# Altium PCB KEA once.PcbDoc (part 1 of 4)
Units mil, origin at the board's own origin, x right, y up, seen from the top; angles counter-clockwise.
Board outline 3229.26 x 1991.89 mil, 2 copper layers (Top Layer, Bottom Layer); 76 components, 82 nets, 488 pads, 56 vias.
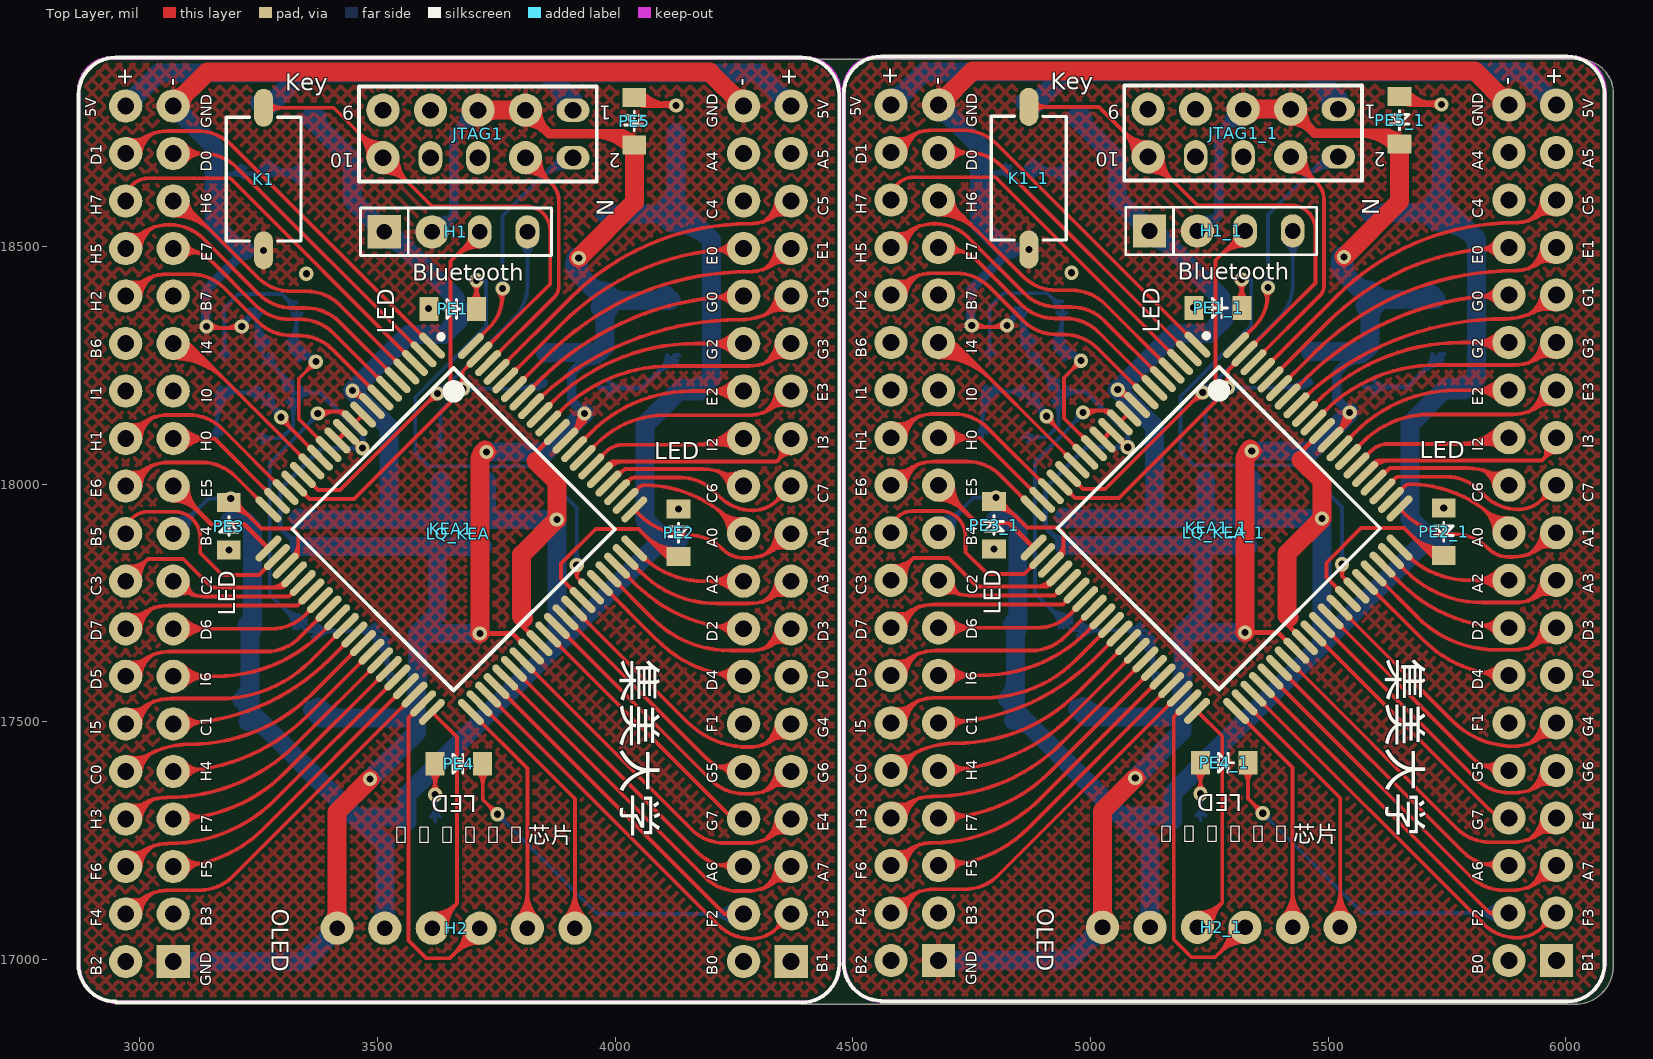
[diagram p0: Top Layer view]
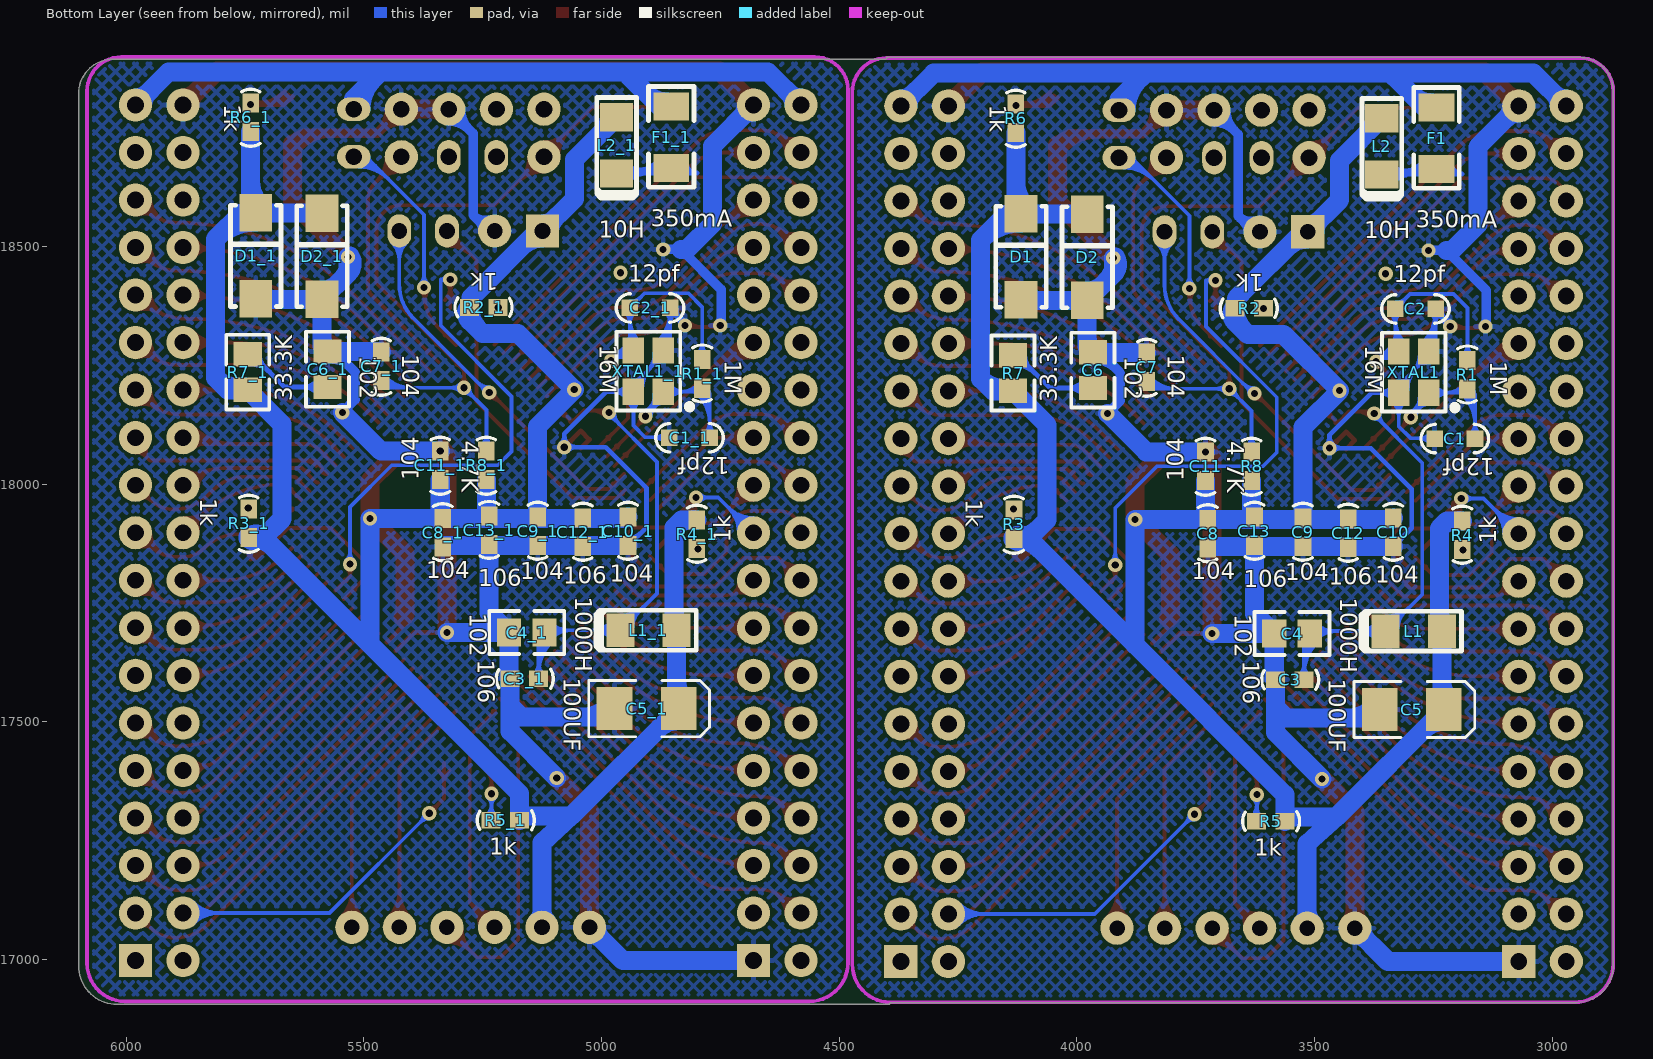
[diagram p1: Bottom Layer view, seen from below]
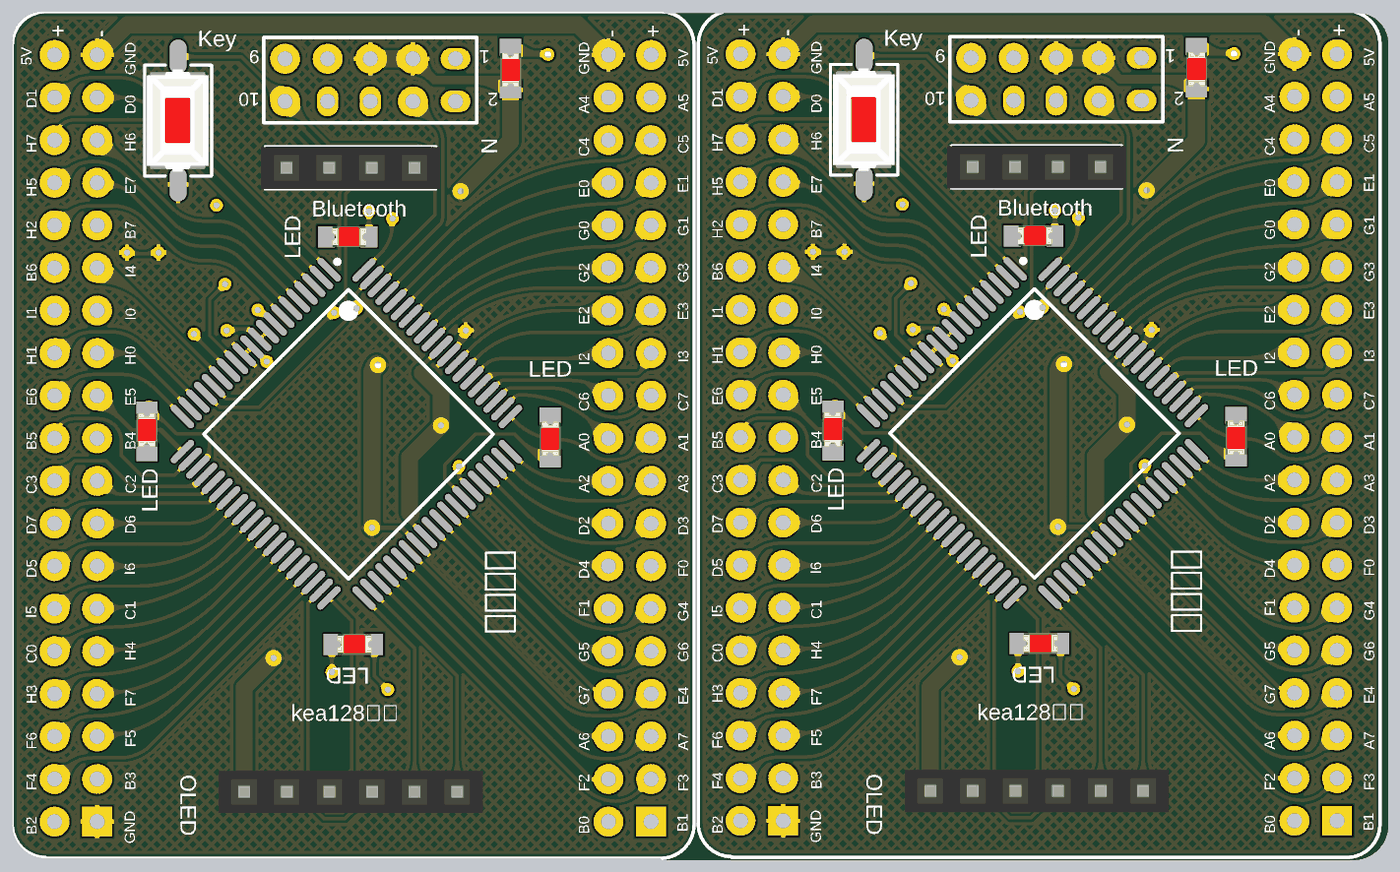
[diagram p5: 3D render of the assembled board from above, using the file's embedded part models]
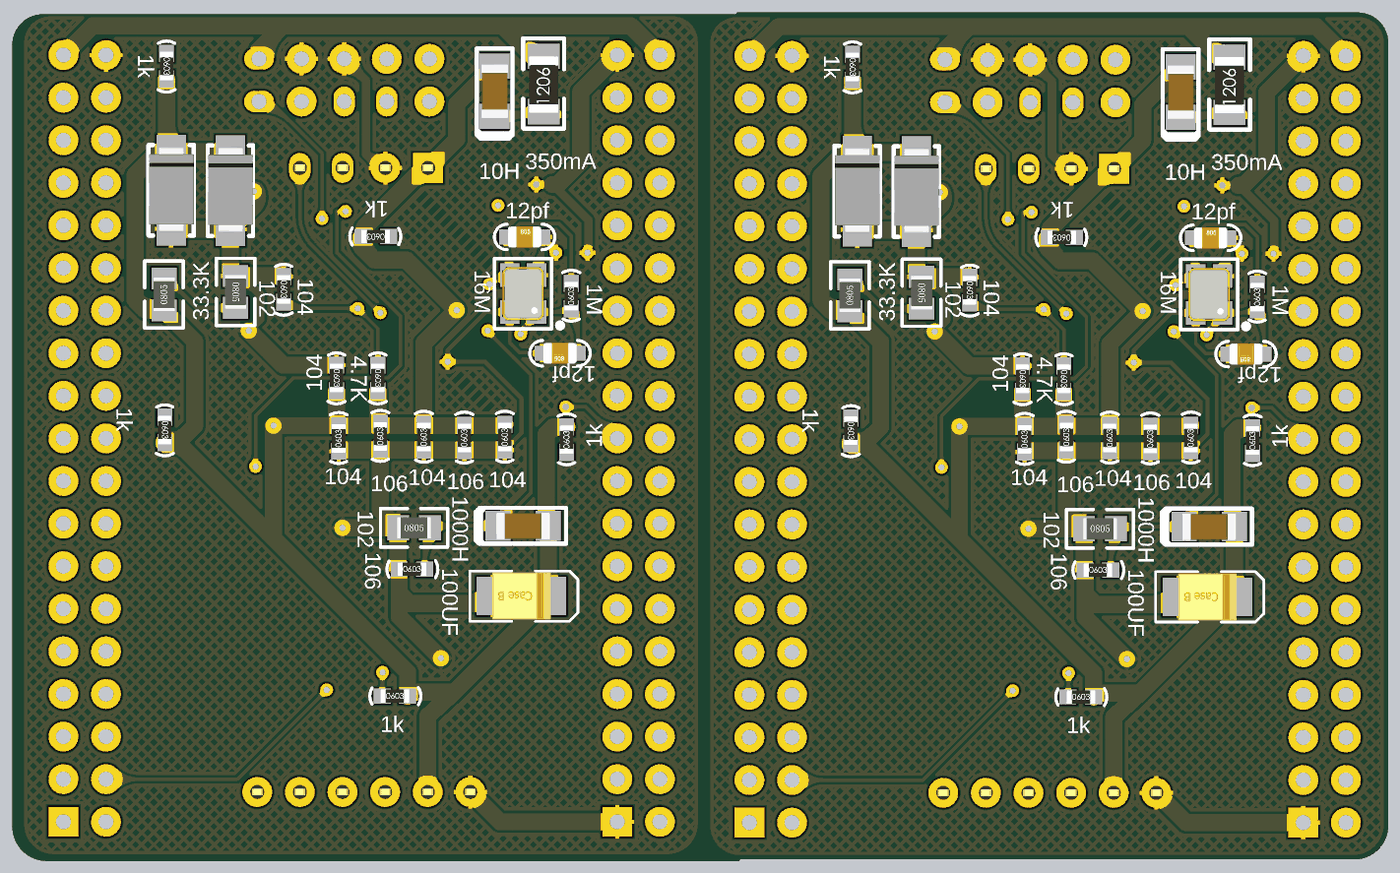
[diagram p6: 3D render of the assembled board from below, using the file's embedded part models]

## Layer stack, top to bottom
Top Layer: signal copper 1.4
Dielectric: dielectric 12.6, FR-4, Dk 4.8
Bottom Layer: signal copper 1.4

## Board outline
2871,18827 cw(c2941.89,18827) 2941.89,18897.89 2949.48,18897.89 4399.15,18897.89 cw(c4399.15,18897) 4400.04,18897 ccw(c4403.04,18897) 4403.04,18894 4570,18894 6026,18894 6028.04,18894 cw(c6028.04,18822.04) 6100,18822.04 6100,16987 cw(c6019,16987) 6019,16906 5987,16906 4395.87,16906 cw(c4395.87,16909.7) 4392.17,16909.7 2949.48,16909.7 cw(c2949.48,16988.44) 2870.74,16988.44 2870.74,18827

## Design rules (kind name [scope] priority, off if disabled: settings)
Clearance Clearance_1 [All] p1: gap=6
Clearance [All] p2: gap=10
ComponentClearance [All] p1: gap=0 collisioncheckmode=3 verticalgap=0 showdistances=FALSE
PolygonConnect [All] p1: connectstyle=Relief reliefconductorwidth=10 reliefentries=4 polygonreliefangle="90 Angle"
RoutingVias [All] p1: holewidth=28 width=50 viastyle="Through Hole" minholewidth=28 minwidth=50 maxholewidth=28 maxwidth=50
SilkscreenOverComponentPads [All] p1: minsilkscreentomaskgap=10
SolderMaskExpansion [All] p1: expansion=4
Width [All] p1: maxlimit=50 minlimit=8 preferedwidth=8
26 further rules are at their usual default settings.

## Classes and differential pairs
component class "KEA Once": C1 C2 C3 C4 C5 C6 C7 C8 C9 C10 C11 C12 C13 D1 D2 F1 H1 H2 JTAG1 K1 KEA1 L1 L2 LQ_KEA PE1 PE2 PE3 PE4 PE5 R1 R2 R3 R4 R5 R6 R7 R8 XTAL1

## Components (designator, comment, footprint, x,y, rotation, side; value= is the part's Value field where it differs from the comment)
C1 "12pf" 0805-0C 3162,18096 r0 bottom
C1_1 "12pf" 0805-0C 4772,18098 r0 bottom (schematic designator C1)
C2 "12pf" 0805-0C 3330,18369 r180 bottom
C2_1 "12pf" 0805-0C 4940,18371 r180 bottom (schematic designator C2)
C3 "106" 0603 3552,17589 r180 bottom
C3_1 "106" 0603 5162,17591 r180 bottom (schematic designator C3)
C4 "102" 0805 3547,17686 r180 bottom
C4_1 "102" 0805 5157,17688 r180 bottom (schematic designator C4)
C5 "100UF" "pol cap(10uF)" 3295,17526 r180 bottom
C5_1 "100UF" "pol cap(10uF)" 4905,17528 r180 bottom (schematic designator C5)
C6 "102" 0805 3966,18240 r270 bottom
C6_1 "102" 0805 5576,18242 r270 bottom (schematic designator C6)
C7 "104" 0603 3853,18246 r270 bottom
C7_1 "104" 0603 5463,18248 r270 bottom (schematic designator C7)
C8 "104" 0603 3724,17896 r90 bottom
C8_1 "104" 0603 5334,17898 r90 bottom (schematic designator C8)
C9 "104" 0603 3524,17899 r90 bottom
C9_1 "104" 0603 5134,17901 r90 bottom (schematic designator C9)
C10 "104" 0603 3334,17899 r90 bottom
C10_1 "104" 0603 4944,17901 r90 bottom (schematic designator C10)
C11 "104" 0603 3729,18038 r270 bottom
C11_1 "104" 0603 5339,18040 r270 bottom (schematic designator C11)
C12 "106" 0603 3429,17897 r90 bottom
C12_1 "106" 0603 5039,17899 r90 bottom (schematic designator C12)
C13 "106" 0603 3626,17901 r90 bottom
C13_1 "106" 0603 5236,17903 r90 bottom (schematic designator C13)
D1 "4733" 二极管 4117,18483 r90 bottom
D1_1 "4733" 二极管 5727,18485 r90 bottom (schematic designator D1)
D2 "4733" 二极管 3978,18482 r90 bottom
D2_1 "4733" 二极管 5588,18484 r90 bottom (schematic designator D2)
F1 "350mA" 1206R 3241,18669 r90 bottom
F1_1 "350mA" 1206R 4851,18671 r90 bottom (schematic designator F1)
H1 "Bluetooth" S0P4 3514,18531 r0 top
H1_1 "Bluetooth" S0P4 5124,18533 r0 top (schematic designator H1)
H2 "OLED" S0P6 3415,17066 r0 top
H2_1 "OLED" S0P6 5025,17068 r0 top (schematic designator H2)
JTAG1 "N" HDR2X5 3911,18787 r180 top
JTAG1_1 "N" HDR2X5 5521,18789 r180 top (schematic designator JTAG1)
K1 "Key" K_Press 3260,18642 r90 top
K1_1 "Key" K_Press 4870,18644 r90 top (schematic designator K1)
KEA1 "kea128芯片" LQFP80 3655,17906 r315 top locked
KEA1_1 "kea128芯片" LQFP80 5265,17908 r315 top locked (schematic designator KEA1)
L1 "1000H" 1206C 3349,17691 r180 bottom
L1_1 "1000H" 1206C 4959,17693 r180 bottom (schematic designator L1)
L2 "10H" 1206C 3358,18653 r90 bottom
L2_1 "10H" 1206C 4968,18655 r90 bottom (schematic designator L2)
LQ_KEA "" LQ_KEAP80SYSVK 3070,16996 r90 top locked
LQ_KEA_1 "" LQ_KEAP80SYSVK 4680,16998 r90 top locked (schematic designator LQ_KEA)
PE1 "LED" 0805LED1 3658,18369 r0 top
PE1_1 "LED" 0805LED1 5268,18371 r0 top (schematic designator PE1)
PE2 "LED" 0805LED1 4133,17898 r270 top
PE2_1 "LED" 0805LED1 5743,17900 r270 top (schematic designator PE2)
PE3 "LED" 0805LED1 3187,17912 r90 top
PE3_1 "LED" 0805LED1 4797,17914 r90 top (schematic designator PE3)
PE4 "LED" 0805LED1 3671,17412 r0 top
PE4_1 "LED" 0805LED1 5281,17414 r0 top (schematic designator PE4)
PE5 "LED" 0805LED1 4040,18764 r270 top
PE5_1 "LED" 0805LED1 5650,18766 r270 top (schematic designator PE5)
R1 "1M" 0603-r 3178,18230 r90 bottom
R1_1 "1M" 0603-r 4788,18232 r90 bottom (schematic designator R1)
R2 "1k" 0603-r 3637,18370 r0 bottom
R2_1 "1k" 0603-r 5247,18372 r0 bottom (schematic designator R2)
R3 "1k" 0603-r 4132,17916 r270 bottom
R3_1 "1k" 0603-r 5742,17918 r270 bottom (schematic designator R3)
R4 "1k" 0603-r 3189,17893 r90 bottom
R4_1 "1k" 0603-r 4799,17895 r90 bottom (schematic designator R4)
R5 "1k" 0603-r 3592,17291 r180 bottom
R5_1 "1k" 0603-r 5202,17293 r180 bottom (schematic designator R5)
R6 "1k" 0603-r 4128,18770 r270 bottom
R6_1 "1k" 0603-r 5738,18772 r270 bottom (schematic designator R6)
R7 "33.3K" 0805 4134,18234 r90 bottom
R7_1 "33.3K" 0805 5744,18236 r90 bottom (schematic designator R7)
R8 "4.7K" 0603-r 3632,18038 r270 bottom
R8_1 "4.7K" 0603-r 5242,18040 r270 bottom (schematic designator R8)
XTAL1 "16M" LC-SMD-3225_4P 3291,18236 r90 bottom
XTAL1_1 "16M" LC-SMD-3225_4P 4901,18238 r90 bottom (schematic designator XTAL1)

## Footprints (in the part's own frame and the unit in brackets; to place one, negate y for a bottom-side part, rotate by r counter-clockwise, add the part's x,y. Pads: shape width x height; smd on the part's side, far side on the other; paste and mask are expansions set on the pad)
0603 [mil]
  rect 40x35 smd: 1(-30,0) 2(30,0)
  silkscreen extent -59,-20 61,20, body extent -33,-16 33,16, height 22
0603-r [mil]
  rect 40x35 smd: 1(-30,0) 2(30,0)
  silkscreen extent -59,-20 61,20, body extent -33,-16 33,16, height 22
0805 [mm]
  rect 1.3x1.5 smd: 1(-0.95,0) 2(0.95,0)
  silkscreen extent -2,-1.15 2,1.15, body extent -1,-0.63 1,0.63, height 0.55
0805-0C [mil]
  rect 35x35 smd: 1(0,0) 2(85,0)
  silkscreen extent -28,-30 113,30, body extent 3,-25 82,25, height 30
0805LED1 [mil]
  rect 40x50 smd: 1(-50,0) 2(50,0)
  silkscreen extent -20,-20 20,20, body extent -37,-24 43,25, height 43
1206C [mil]
  rect 59.06x70 smd: 1(-1,0) 2(117.11,0)
  silkscreen extent -53,-42 159,42, body extent -5,-32 121,31, height 37
1206R [mil]
  rect 59.06x75 smd: 1(-6,2) 2(124,2)
  silkscreen extent -46,-46 166,50, body extent -8,-32 124,36, height 33
HDR2X5 [mil] "Connector; Header; 5x2 Position"
  oval 70x50 hole 35.43: 1(0,0) 2(0,100)
  round 70 hole 35.43: 3(100,0) 4(100,100) 5(200,0) 7(300,0) 9(400,0) 10(400,100)
  oval 50x70 hole 35.43: 6(200,100) 8(300,100)
  silkscreen extent -50,-50 450,150
K_Press [mil]
  oval 80x40 smd: 1(-150,0) 2(150,0)
  silkscreen extent -130,-79 130,79, body extent -120,-72 120,74, height 98
LC-SMD-3225_4P [mm]
  rect 1.4x1.15 smd: 1(-1.1,-0.8) 2(1.1,-0.8) 3(1.1,0.8) 4(-1.1,0.8)
  silkscreen extent -2.1,-2.35 2.1,1.7, body extent -1.6,-1.25 1.6,1.25, height 0.61
LQ_KEAP80SYSVK [mil]
  rect 70x70 hole 35.43: 1(0,-1300) 39(0,0)
  round 70 hole 35.43: 2(0,-1200) 3(100,-1300) 4(100,-1200) 5(200,-1300) 6(200,-1200) 7(300,-1300) 8(300,-1200) 9(400,-1300) 10(400,-1200) 11(500,-1300) 12(500,-1200) 13(600,-1300) 14(600,-1200) 15(700,-1300) 16(700,-1200) 17(800,-1300) 18(800,-1200) 19(900,-1300) 20(900,-1200) 21(1000,-1300) 22(1000,-1200) 23(1100,-1300) 24(1100,-1200) 25(1200,-1300) 26(1200,-1200) 27(1300,-1300) 28(1300,-1200) 29(1400,-1300) 30(1400,-1200) 31(1500,-1300) 32(1500,-1200) 33(1600,-1300) 34(1600,-1200) 35(1700,-1300) 36(1700,-1200) 37(1800,-1300) 38(1800,-1200) 40(0,100) 41(100,0) 42(100,100) 43(200,0) 44(200,100) 45(300,0) 46(300,100) 47(400,0) 48(400,100) 49(500,0) 50(500,100) 51(600,0) 52(600,100) 53(700,0) 54(700,100) 55(800,0) 56(800,100) 57(900,0) 58(900,100) 59(1000,0) 60(1000,100) 61(1100,0) 62(1100,100) 63(1200,0) 64(1200,100) 65(1300,0) 66(1300,100) 67(1400,0) 68(1400,100) 69(1500,0) 70(1500,100) 71(1600,0) 72(1600,100) 73(1700,0) 74(1700,100) 75(1800,0) 76(1800,100)
  silkscreen extent -86,-1401 1902,200
LQFP80 [mm]
  oval 1.8x0.4 smd: 1(-7.65,6.202) 2(-7.65,5.551) 3(-7.65,4.899) 4(-7.65,4.248) 5(-7.65,3.596) 6(-7.65,2.945) 7(-7.65,2.294) 8(-7.65,1.642) 9(-7.65,0.991) 10(-7.65,0.339) 11(-7.65,-0.312) 12(-7.65,-0.964) 13(-7.65,-1.615) 14(-7.65,-2.266) 15(-7.65,-2.918) 16(-7.65,-3.569) 17(-7.65,-4.221) 18(-7.65,-4.872) 19(-7.65,-5.524) 20(-7.65,-6.175) 41(7.65,-6.175) 42(7.65,-5.525) 43(7.65,-4.875) 44(7.65,-4.225) 45(7.65,-3.575) 46(7.65,-2.925) 47(7.65,-2.275) 48(7.65,-1.625) 49(7.65,-0.975) 50(7.65,-0.325) 51(7.65,0.325) 52(7.65,0.975) 53(7.65,1.625) 54(7.65,2.275) 55(7.65,2.925) 56(7.65,3.575) 57(7.65,4.225) 58(7.65,4.875) 59(7.65,5.525) 60(7.65,6.175)
  oval 0.4x1.8 smd: 21(-6.175,-7.65) 22(-5.525,-7.65) 23(-4.875,-7.65) 24(-4.225,-7.65) 25(-3.575,-7.65) 26(-2.925,-7.65) 27(-2.275,-7.65) 28(-1.625,-7.65) 29(-0.975,-7.65) 30(-0.325,-7.65) 31(0.325,-7.65) 32(0.975,-7.65) 33(1.625,-7.65) 34(2.275,-7.65) 35(2.925,-7.65) 36(3.575,-7.65) 37(4.225,-7.65) 38(4.875,-7.65) 39(5.525,-7.65) 40(6.175,-7.65) 61(6.175,7.65) 62(5.525,7.65) 63(4.875,7.65) 64(4.225,7.65) 65(3.575,7.65) 66(2.925,7.65) 67(2.275,7.65) 68(1.625,7.65) 69(0.975,7.65) 70(0.325,7.65) 71(-0.325,7.65) 72(-0.975,7.65) 73(-1.625,7.65) 74(-2.275,7.65) 75(-2.925,7.65) 76(-3.575,7.65) 77(-4.225,7.65) 78(-4.875,7.65) 79(-5.525,7.65) 80(-6.175,7.65)
  silkscreen extent -7.77,-6.02 6.19,7
"pol cap(10uF)" [mil]
  rect 75x90 smd: 1(67.5,0) 2(-67.5,0)
  silkscreen extent -121,-59 132,59, body extent -69,-55 69,55, height 75
S0P4 [mil]
  rect 70x70 hole 33: 1(0,0)
  round 70 hole 33: 2(100.39,0)
  oval 50x70 hole 33: 3(200.79,0) 4(301.18,0)
  silkscreen extent -50,-50 352,50, body extent -59,-50 360,50, height 331
S0P6 [mil]
  round 70 hole 33: 1(0,0) 2(100,0) 3(200,0) 4(300,0) 5(400,0) 6(500,0)
  body extent -60,-50 560,50, height 331
二极管 [mm]
  rect 2x1.75 smd: 1(-2.413,0) 2(2.187,0)
  silkscreen extent -2.81,-1.35 2.59,1.35, body extent -2.61,-1.34 2.49,1.33, height 2.12

## Part data
C1 C1_1 C2 C2_1: library part CAP
F1 F1_1: library part Fuse, "Fuse"
JTAG1 JTAG1_1: library part "Header 5X2", "Header, 5-Pin, Dual row"
L1 L1_1 L2 L2_1: library part Inductor, "Inductor"
R1 R1_1 R2 R2_1 R3 R3_1 R4 R4_1 R5 R5_1 R6 R6_1 R8 R8_1: library part RES
XTAL1 XTAL1_1: library part XTAL

## Via types
v1: diameter 30, hole 15, Top Layer to Bottom Layer, 56 vias

## Nets (pads, with @x,y where several pads share a name; then routed paths per layer and width w, separated by ;. In a path a pad name is that pad's centre, name@x,y a point inside that pad or via, vN(x,y) a via of type N, cw(c..) or ccw(c..) an arc to the next point about the centre after c; other vN are vias at no path point)
5V: F1.2 JTAG1.1 LQ_KEA.37 LQ_KEA.76 | length 1883.1
  Bottom Layer w40: LQ_KEA.76@2970,18796 3039,18865 4301,18865 LQ_KEA.37@4370,18796 ; LQ_KEA.76@2970,18811 ccw(c2970,18847.21) 2995.61,18821.61 ccw(c3021.21,18796) LQ_KEA.76@2985,18796 ; F1.2@3250.97,18802.53 ccw(c3250.97,18866.64) 3296.3,18821.3 ; F1.2@3260,18785 3333,18858 ; 3864,18856 3911,18809 JTAG1.1@3911,18787 ; 3869.84,18850.16 cw(c3806.67,18787) JTAG1.1@3896,18787 ; LQ_KEA.37@4355,18796 ccw(c4318.79,18796) 4344.39,18821.61 ccw(c4370,18847.21) LQ_KEA.37@4370,18811
A0: KEA1.62 LQ_KEA.20 | length 566.1
  Top Layer w8: KEA1.62@4021.78,17965.16 4050.11,17993.49 cw(c4061,17982.59) 4061,17998 cw(c4061,17739.68) 4243.66,17922.34 ; KEA1.62@4041.26,17988.52 ccw(c4041.26,17997.87) 4047.88,17991.26 ccw(c4054.49,17984.65) KEA1.62@4045.14,17984.65 ; 4216.24,17946.18 cw(c4172.81,17896.23) LQ_KEA.20@4239,17896.07 ; 4219.95,17942.96 ccw(c4263.25,17992.75) LQ_KEA.20@4267.84,17926.92 ; 4229.45,17934.7 cw(c4195.96,17896.18) LQ_KEA.20@4247,17896.06 ; 4234.52,17930.28 ccw(c4265.15,17965.5) LQ_KEA.20@4268.4,17918.94 ; 4242.66,17923.21 cw(c4219.1,17896.12) LQ_KEA.20@4255,17896.04 ; LQ_KEA.20@4244.46,17913.58 ccw(c4238.8,17917.47) 4243.66,17922.34 ; LQ_KEA.20@4244.51,17913.64 ccw(c4238.96,17917.48) 4243.39,17922.58 ccw(c4248.63,17928.6) LQ_KEA.20@4253,17921.93 ; LQ_KEA.20@4252.42,17921.54 cw(c4248.53,17927.2) 4243.66,17922.34 ; LQ_KEA.20@4270,17896 4243.66,17922.34
A1: KEA1.61 LQ_KEA.19 | length 608.7
  Top Layer w8: KEA1.61@4039.87,17943.19 cw(c4039.87,17933.84) 4046.48,17940.45 cw(c4053.1,17947.06) KEA1.61@4043.75,17947.06 ; KEA1.61@4039.87,17947.06 4051.05,17935.88 ccw(c4154.58,18039.41) 4154.58,17893 cw(c4154.58,17793) 4225.29,17863.71 ccw(c4270.46,17908.88) 4270.46,17845 4277.58,17845 ccw(c4277.58,17945) 4348.29,17874.29 LQ_KEA.19@4370,17896 ; 4311.28,17850.2 ccw(c4277.79,17901.63) LQ_KEA.19@4339.06,17897.89 ; 4323.59,17858.21 cw(c4352.6,17813.65) LQ_KEA.19@4363.59,17865.67 ; 4324.6,17858.87 ccw(c4297.54,17900.43) LQ_KEA.19@4347.04,17897.4 ; 4337.92,17867.54 ccw(c4317.29,17899.22) LQ_KEA.19@4355.03,17896.91 ; 4339.77,17868.75 cw(c4358.24,17840.38) LQ_KEA.19@4365.24,17873.5
  Top Layer w10: LQ_KEA.19@4359,17896 LQ_KEA.19@4370,17896
A2: KEA1.60 LQ_KEA.18 | length 521.8
  Top Layer w8: KEA1.60@4039.87,17864.94 4053.89,17850.91 ccw(c4186.47,17983.48) 4186.47,17796 LQ_KEA.18@4270,17796 ; KEA1.60@4059.77,17841.6 cw(c4061.05,17829.53) 4068.68,17838.97 ; LQ_KEA.18@4248.08,17774.08 ccw(c4195.16,17721.16) 4195.16,17796 ccw(c4195.16,17870.84) LQ_KEA.18@4248.08,17817.92 ; LQ_KEA.18@4253.74,17779.74 ccw(c4214.47,17740.47) 4214.47,17796 ccw(c4214.47,17851.53) LQ_KEA.18@4253.74,17812.26 ; LQ_KEA.18@4259.39,17785.39 ccw(c4233.79,17759.79) 4233.79,17796 ccw(c4233.79,17832.21) LQ_KEA.18@4259.39,17806.61
A3: KEA1.59 LQ_KEA.17 | length 615.5
  Top Layer w8: KEA1.59@4021.78,17846.84 4053.01,17815.61 ccw(c4213.82,17976.41) 4213.82,17749 4281.58,17749 ccw(c4281.58,17849) 4351.9,17777.9 ccw(c4281.58,17849) 4352.29,17778.29 LQ_KEA.17@4370,17796 ; KEA1.59@4041.26,17823.48 cw(c4041.26,17814.13) 4047.88,17820.74 cw(c4054.49,17827.35) KEA1.59@4045.14,17827.35 ; 4310.44,17752.49 ccw(c4278.78,17804.14) LQ_KEA.17@4339.12,17798.75 ; 4321.6,17759.33 cw(c4350.06,17712.9) LQ_KEA.17@4362.77,17765.86 ; 4324,17760.8 ccw(c4298.52,17802.38) LQ_KEA.17@4347.09,17798.04 ; 4337.57,17769.12 ccw(c4318.26,17800.62) LQ_KEA.17@4355.06,17797.33 ; 4338.07,17769.42 cw(c4356.44,17739.46) LQ_KEA.17@4364.63,17773.63
A4: JTAG1.2 KEA1.80 | length 768.6
  Top Layer w8: KEA1.80@3696.06,18290.87 3733.71,18328.52 ccw(c3663,18399.23) 3763,18399.23 v1(3763,18412) ; KEA1.80@3715.55,18314.23 ccw(c3715.55,18323.59) 3722.16,18316.97 ccw(c3728.78,18310.36) KEA1.80@3719.42,18310.36 ; v1@3754.27,18405.31 cw(c3728.65,18385.68) 3760.65,18381.45 ; 3761.71,18389.46 cw(c3782.37,18386.73) v1@3769.69,18403.27
  Bottom Layer w8: v1@3755.22,18419.78 ccw(c3736.44,18438.56) 3763,18438.56 ccw(c3789.56,18438.56) v1@3770.78,18419.78 ; v1(3763,18412) 3763,18565 3885,18687 JTAG1.2@3911,18687 ; 3837.84,18639.84 cw(c3901,18576.67) JTAG1.2@3901,18666 ; 3851.49,18653.49 cw(c3901,18603.99) JTAG1.2@3901,18674 ; 3865.15,18667.15 cw(c3901,18631.3) JTAG1.2@3901,18682 ; 3876.46,18678.46 ccw(c3867.93,18687) JTAG1.2@3880,18687
A5: C7.2 JTAG1.10 K1.2 KEA1.79 R8.1 | length 2393.8
  Top Layer w8: K1.2@3260,18792 3407.64,18792 3509.73,18689.91 JTAG1.10@3511.83,18687.85 ; K1.2@3271.31,18780.69 cw(c3298.63,18753.37) 3298.63,18792 cw(c3298.63,18830.63) K1.2@3271.31,18803.31 ; 3456.92,18742.72 cw(c3401.2,18687) JTAG1.10@3480,18687 ; 3460.88,18738.76 ccw(c3511,18788.88) JTAG1.10@3511,18718 ; 3470.58,18729.07 cw(c3428.51,18687) JTAG1.10@3488,18687 ; 3474.54,18725.1 ccw(c3511,18761.56) JTAG1.10@3511,18710 ; 3484.23,18715.41 cw(c3455.82,18687) JTAG1.10@3496,18687 ; JTAG1.10@3511,18656 cw(c3511,18577.09) 3566.8,18632.89 ; JTAG1.10@3511,18664 cw(c3511,18604.4) 3553.14,18646.54 ; JTAG1.10@3511,18672 cw(c3511,18631.71) 3539.49,18660.2 ; JTAG1.10@3526,18674 JTAG1.10@3511.83,18687.85 ; JTAG1.10@3534,18687 ccw(c3585.45,18687) 3549.07,18650.62 ; JTAG1.10@3542,18687 ccw(c3612.77,18687) 3562.73,18636.96 ; v1@3671.22,18208.78 ccw(c3652.44,18227.56) 3679,18227.56 ccw(c3705.56,18227.56) v1@3686.78,18208.78 ; v1(3679,18201) 3679,18237.62 KEA1.79@3714.16,18272.78 ; KEA1.79@3690.8,18253.29 cw(c3681.44,18253.29) 3688.06,18246.68 cw(c3694.67,18240.06) KEA1.79@3694.67,18249.42 ; KEA1.79@3733.64,18296.14 ccw(c3733.64,18305.49) 3740.26,18298.88 ccw(c3746.87,18292.26) KEA1.79@3737.52,18292.26 ; KEA1.79@3734.71,18293.33 KEA1.79@3714.16,18272.78 ; 3865,18485 cw(c3865,18487) 3863,18487 ; JTAG1.10@3511.83,18687.85 3614.69,18585 3812,18585 cw(c3812,18534) 3863,18534 3863,18487 ; KEA1.79@3714.16,18272.78 3795.92,18354.54 3863,18421.62 3863,18487